# Altium PCB SJ2088POE.PcbDoc (part 3 of 6) (continued)
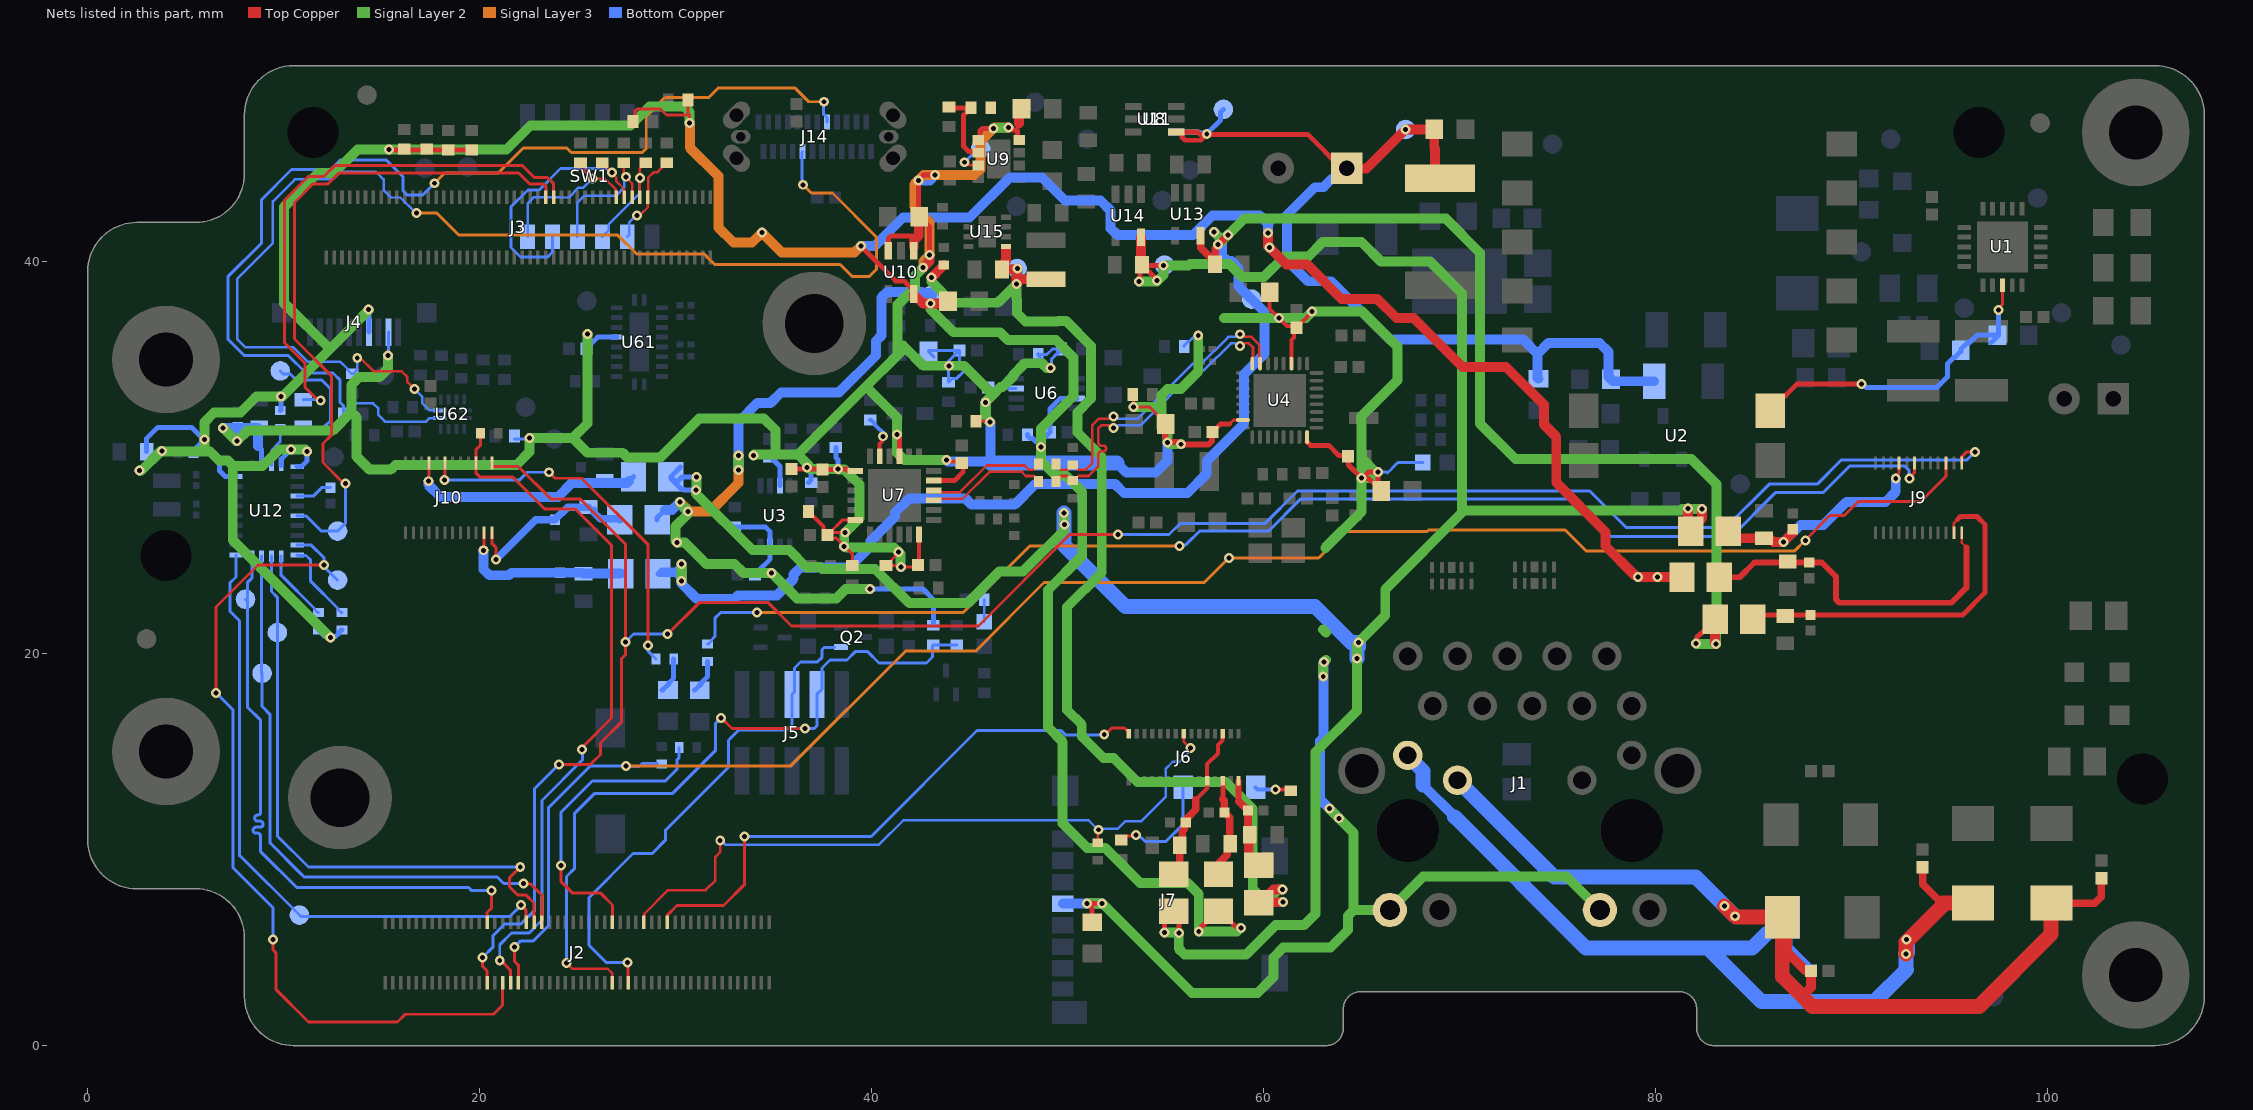
[diagram p7: the nets of this part, all layers, seen from the top]
## Nets (pads, with @x,y where several pads share a name; then routed paths per layer and width w, separated by ;. In a path a pad name is that pad's centre, name@x,y a point inside that pad or via, vN(x,y) a via of type N, cw(c..) or ccw(c..) an arc to the next point about the centre after c; other vN are vias at no path point) (continued)
  Signal Layer 2 w0.305: v1(38.275,29.425) v1@38.314,29.386 ; 65.006,29.919 65.071,29.919 ; v1@65.714,29.276 65.832,29.276 v1(65.839,29.276)
  Signal Layer 2 w0.508: v1(6.9,31.525) 7.575,30.85 v1(7.625,30.85) 8.15,31.375 12.5,31.375 13.45,32.325 ; v1(15.317,35.215) 15.317,34.542 14.9,34.125 13.875,34.125 13.45,33.7 13.45,32.325 ; v1(25.502,36.316) 25.502,31.744 24.754,30.996 ; v1@34.004,30.172 35.093,30.172 ; 36.181,30.172 35.093,30.172 ; v1@36.77,29.63 36.242,30.158 39.715,33.631 ; v1@36.866,29.425 v1(38.275,29.425) ; v1@38.314,29.386 38.614,29.386 39.375,28.625 39.375,26.9 v1(38.653,26.178) 38.603,26.128 38.603,25.478 v1(38.6,25.475) ; v1@38.645,25.492 38.719,25.418 41.14,25.418 v1(41.382,25.176) 41.464,25.095 41.464,24.461 v1(41.506,24.419) ; 41.6,35.725 41.625,35.7 ; 41.625,35.541 41.329,35.245 ; 41.705,35.62 42.636,34.689 v1(43.948,34.689) 44.71,34.689 46.186,33.213 ; v1@42.562,39.645 42.909,39.992 v1@42.909,40.286 ; v1(42.633,39.705) 42.211,39.283 42.211,38.686 41.329,37.804 41.329,35.245 ; v1(43.825,29.875) 41.675,29.875 41.303,30.247 v1(41.303,31.182) 41.303,32.043 39.715,33.631 ; v1(46.032,31.826) 45.799,32.059 v1(45.799,32.827) 46.186,33.213 ; v1(46.221,46.805) 46.25,46.833 46.963,46.833 v1(46.979,46.85) ; v1(49.12,34.574) 48.926,34.574 48.683,34.817 47.817,34.817 47.25,34.25 47.25,34.178 46.672,33.6 46.572,33.6 46.186,33.213 ; v1(51,7.25) v1(51.75,7.25) 51.774,7.25 56.343,2.681 59.681,2.681 60.5,3.5 60.5,4.5 61,5 63.408,5 64.3,5.892 64.3,6.623 64.598,6.921 ; v1(53.353,32.584) 53.359,32.577 54.8,32.577 ; v1(55.785,30.685) 55.775,30.694 55.163,30.694 v1(55.09,30.768) 55.09,31.228 54.8,31.518 54.8,32.577 ; v1(56.666,36.237) 56.666,34.391 55.775,33.5 55.101,33.5 54.8,33.199 54.8,32.577 ; 57.978,37.128 v1(60.781,37.128) 62.153,37.128 v1(62.473,37.447) 65.039,37.447 66.825,35.661 66.825,33.95 65.006,32.131 65.006,30.066 ; 63.025,21.225 63.175,21.075 ; v1(63.044,18.831) 63.044,19.531 63.088,19.575 v1(63.088,19.583) v1@63.175,19.67 ; 63.15,25.4 65.006,27.256 v1(65.006,28.957) ; v1(63.362,12.087) v1(63.85,11.6) 64.598,10.852 64.598,6.921 ; 65.006,29.919 v1(65.006,28.957) ; 65.071,29.919 v1@65.714,29.276 ; v1@65.832,29.276 65.512,28.957 v1(65.006,28.957) ; J1.17@77.16,6.921 75.456,8.625 68.144,8.625 J1.15@66.44,6.921 64.598,6.921 ; 13.45,32.325 13.725,32.05 13.725,30.048 14.388,29.386 15.461,29.386 15.7,29.625 21.875,29.625 22.549,30.299 v1(22.549,30.996) 24.754,30.996 ; 24.754,30.996 25.5,30.25 27.298,30.25 27.548,30 29.2,30 31.2,32 34.5,32 35.093,31.407 35.093,30.172 ; 39.715,33.631 41.329,35.245
  Signal Layer 3 w0.508: v1(42.633,39.705) 42.633,40.01 v1(42.957,40.334) 42.957,42.027 42.178,42.806 42.178,43.949 42.646,44.417 v1(43.235,44.417) 45.248,44.417 45.546,44.714 45.546,46.129 v1(46.221,46.805) 46.266,46.85 v1(46.979,46.85)
  Bottom Copper w0.152: v1(15.317,35.215) 15.342,35.24 J4.9@15.342,36.405 ; R186.2@21.776,30.943 22.496,30.943 v1(22.549,30.996) ; FB1.2@43.19,35.125 FB1.2@42.89,35.425 42.94,35.475 C31.1@44.475,35.475 ; v1(45.799,32.827) 45.799,32.923 45.95,33.074 C53.2@45.95,33.575 ; U6.7@47.375,33.525 46,33.525 C53.2@45.95,33.575 ; R49.1@48.5,35.325 R49.1@48.5,35.275 ; v1(49.12,34.574) 49.188,34.642 49.188,35.038 49.451,35.301 49.501,35.301 49.7,35.5 R46.1@49.7,35.524 ; v1@49.12,34.655 48.749,35.026 48.699,35.026 48.5,35.225 R49.1@48.5,35.275 ; R46.1@49.501,35.325 R46.1@49.7,35.524 ; R28.1@55.95,35.675 55.95,35.725 56.149,35.924 56.199,35.924 56.444,36.169 56.598,36.169 v1(56.666,36.237) ; v1(65.839,29.276) 66.258,29.276 66.317,29.217 66.85,29.75 D16.2@68.125,29.75 ; C31.1@44.475,35.475 44.475,34.625 44.7,34.4 ; C31.1@44.475,35.475 43.925,34.925 R30.2@43.925,33.85 44.122,34.047 44.347,34.047 44.7,34.4 ; 44.7,34.4 45.197,34.4 45.716,33.881 45.716,33.809 C53.2@45.95,33.575 ; R49.1@48.5,35.275 48.95,35.275 49.225,35.55 R46.1@49.7,35.55 R46.1@49.7,35.524
  Bottom Copper w0.254: C90.2@8.675,31.525 8.725,31.575 C90.2@8.75,31.55 ; 8.7,30.6 8.875,30.425 U12.3@8.875,29.6 ; C74.2@25.454,35.582 C74.2@25.478,35.606 ; v1(25.502,36.316) 25.478,36.292 C74.2@25.478,35.606 ; U61.6@27,36.148 26.02,36.148 C74.2@25.478,35.606 ; v1@33.948,30.108 v1(33.97,30.108) ; v1@33.947,30.109 34.766,30.109 35.323,29.552 U3.7@35.323,28.575 ; v1(36.699,29.497) 36.776,29.497 36.873,29.4 36.888,29.415 36.901,29.401 36.901,28.851 R25.1@36.775,28.725 ; R26.1@38.175,30.525 38.175,30 38.275,29.9 v1(38.275,29.425) ; J7.4@49.748,7.24 J7.4@49.758,7.25
  Bottom Copper w0.508: v1(6.9,31.525) C91.2@7.6,31.525 ; v1@7.653,30.947 C91.2@7.653,31.55 ; C91.2@7.675,31.525 C90.2@8.675,31.525 ; 8.7,30.6 C90.2@8.7,31.525 ; v1(42.382,44.153) 42.97,44.153 v1(43.235,44.417) ; v1@43.875,29.8 46.065,29.8 ; v1(45.799,32.827) 45.799,32.059 v1(46.032,31.826) 46.065,31.793 46.065,29.8 ; 46.065,29.725 46.065,29.8 ; J7.4@49.758,7.25 v1(51,7.25) v1(51.75,7.25) ; 52.518,29.725 52.995,29.247 54.497,29.247 55.09,29.84 v1(55.09,30.768) 55.173,30.685 v1(55.785,30.685) ; v1(63.044,18.831) v1@63.047,18.828 ; v1(63.088,19.583) 63.047,19.542 v1@63.047,18.828 ; v1(63.85,11.6) v1(63.362,12.087) 62.875,12.575 62.875,15.55 63.05,15.725 63.05,18.825 v1@63.047,18.828
  Bottom Copper w0.762: 46.065,29.725 52.518,29.725
3V3_PG: TP14.1 U9.7 | length 1.9
  Top Copper w0.127: v1(44.735,45.074) 44.82,45.074 44.985,44.908 U9.7@45.435,44.908
  Bottom Copper w0.127: TP14.1@45.416,45.755 TP14.1@45.559,45.755
  Bottom Copper w0.152: v1(44.735,45.074) TP14.1@45.416,45.755
5V_LED: D6.2 R55.1 | length 1.1
  Bottom Copper w0.127: D6.2@45.75,21.625 R55.1@45.75,22.75
5V_PoE: C7.1 C9.2 C26.2 L1.2 R14.2 R24.2 TP3.1 TP6.1 U8.1 U11.3 | length 52.4
  Top Copper w0.254: U8.1@55.545,46.625 U8.1@55.795,46.625 ; C7.1@64,44.75 62.25,46.5 v1@57.1,46.5 ; U8.1@55.795,46.625 56.625,46.625 56.75,46.5 v1@57.1,46.5 ; U8.1@55.795,46.625 55.843,46.577 55.843,46.345 55.992,46.196 56.796,46.196 v1@57.1,46.5
  Top Copper w0.5: C7.1@64,44.75 64.007,44.757 65.257,44.757 v1(67.246,46.746) C9.2@68.704,46.746 ; C9.2@68.7,46.75 C9.2@68.704,46.746 ; L1.2@69,44.25 68.75,44.5 68.75,45.75 68.707,45.793 68.707,46.743 C9.2@68.704,46.746
  Bottom Copper w0.254: U11.3@55.545,46.625 56.675,46.625 56.742,46.558 57.067,46.558 v1(57.1,46.525) ; v1@57.075,46.5 57.807,47.232 57.807,47.632 TP3.1@57.95,47.775
  Bottom Copper w0.5: C7.1@64,44.75 64,44.525 63.7,44.225 63.475,44.225 63.052,43.802 62.627,43.802 61.2,42.375 61.2,40.058 62.258,39 63.45,39 66.425,36.025 73.25,36.025 73.975,35.3 ; R24.2@74.025,34.025 73.975,34.075 73.975,35.3 ; C26.2@79.925,33.9 77.825,33.9 77.595,34.13 77.595,35.405 77.15,35.85 74.525,35.85 73.975,35.3
2485_PGOOD: J2.37 J5.5 Q2.1 | length 26.6
  Top Copper w0.152: v1(27.55,4.25) 27.55,4.15 27.575,4.125 J2.37@27.575,3.21
  Bottom Copper w0.152: v1(27.55,4.25) 26.45,4.25 25.575,5.125 25.575,7.551 27.824,9.8 28.8,9.8 29.475,10.475 29.475,10.975 32.7,14.2 32.7,15.575 33.225,16.1 35.675,16.1 35.935,16.36 J5.5@35.935,17.925 36.064,18.054 36.064,19.264 36.375,19.575 37.231,19.575 37.475,19.819 37.475,20.216 37.564,20.306 38.081,20.306 Q2.1@38.1,20.325
2485_WAKEUP: J2.41 J5.7 R1.2 R62.1 | length 37.9
  Top Copper w0.127: v1(24.425,4.225) 24.731,3.919 26.537,3.919 26.775,3.681 J2.41@26.775,3.263 ; J2.41@26.749,3.51 26.749,3.236 J2.41@26.775,3.263 ; J2.41@26.775,3.21 J2.41@26.775,3.263
  Top Copper w0.152: v1(32.325,16.725) 32.875,16.175 v1(36.6,16.175)
  Bottom Copper w0.152: v1(24.425,4.225) 24.425,8.625 24.85,9.05 24.85,11.85 25.875,12.875 29.85,12.875 32.045,15.07 32.045,16.445 v1(32.325,16.725) ; v1(36.6,16.175) 37.075,16.175 37.205,16.305 J5.7@37.205,17.925 37.464,18.184 37.464,19.264 37.875,19.675 38.738,19.675 39.163,20.1 39.8,20.1 40.375,19.525 42.8,19.525 43.1,19.825 43.1,20.4 R1.2@43.15,20.45 R62.1@44.35,20.45
BNO08x_BOOTN_1V8: J3.42 R84.2 | length 27.5
  Top Copper w0.152: v1(11.89,32.925) 11.852,32.963 11.712,32.963 11.1,33.575 11.1,34.8 10.05,35.85 10.05,43.15 11.25,44.35 12.05,44.35 12.6,44.9 18.1,44.9 22.182,44.9 22.782,44.3 23.45,44.3 23.775,43.975 J3.42@23.775,43.29
  Bottom Copper w0.152: R84.2@11,32.95 11.016,32.966 11.849,32.966 v1(11.89,32.925)
BNO08x_BOOTN_1V8_1: R83.1 R84.1 TP26.1 U12.4 | length 9.4
  Bottom Copper w0.152: U12.4@9.375,29.6 9.375,30.35 9.563,30.538 ; 9.55,30.55 9.825,30.825 9.825,31.475 10.925,31.475 R84.1@11,31.55 12.05,31.55 12.4,31.9 12.4,33.5 11.925,33.975 10.637,33.975 10.35,34.263 9.987,34.263 TP26.1@9.825,34.425
BNO08x_CIPO_1V8: J2.64 TP28.1 U12.20 | length 32.6
  Top Copper w0.152: v1(22.117,7.168) 22.117,7.158 22.375,6.901 J2.64@22.375,6.29
  Bottom Copper w0.152: U12.20@7.563,25.038 7.563,23.913 7.25,23.6 7.25,22.175 7.751,21.674 7.751,9.68 7.782,9.68 TP28.1@10.803,6.659 10.862,6.6 21.549,6.6 v1(22.117,7.168)
BNO08x_COPI_1V8: J2.62 TP29.1 U12.17 | length 31.3
  Top Copper w0.152: v1(22.071,9.108) 21.525,8.562 21.525,8.104 21.953,7.675 22.375,7.675 22.775,7.275 22.775,6.853 J2.62@22.775,6.29
  Bottom Copper w0.152: U12.17@9.375,24.975 9.375,23.175 9.675,22.875 TP29.1@9.675,21.075 9.675,10.7 11.267,9.108 v1(22.071,9.108)
BNO08x_CS_1V8: J2.60 TP30.1 U12.18 | length 31.3
  Top Copper w0.152: v1@22.262,8.198 22.231,8.167 v1(22.231,8.266) 22.244,8.253 22.597,8.253 23.175,7.675 J2.60@23.175,6.29
  Bottom Copper w0.152: TP30.1@8.875,19 U12.18@8.875,24.975 ; TP30.1@8.9,19 8.9,18.068 8.9,17.3 9.29,16.91 9.29,10.36 10.85,8.8 11.039,8.611 20.889,8.611 21.234,8.266 v1(22.231,8.266)
BNO08x_INT_1V8: J2.69 TP25.1 U12.14 | length 43.9
  Top Copper w0.152: v1(6.55,18) 6.55,22.375 8.694,24.519 v1(12.05,24.519) ; v1(9.45,5.425) 9.45,4.887 9.6,4.737 9.6,2.875 11.269,1.206 15.806,1.206 16.2,1.6 20.7,1.6 21.175,2.075 J2.69@21.175,3.21
  Bottom Copper w0.152: v1(6.55,18) 7.403,17.147 7.403,9.088 9.45,7.041 v1(9.45,5.425) ; U12.14@10.687,25.538 11.412,25.538 12.05,24.9 v1(12.05,24.519) ; v1@12.05,24.45 TP25.1@12.75,23.75
BNO08x_RSTn_1V8: J3.44 TP19.1 U12.11 | length 35.1
  Top Copper w0.152: v1(13.163,28.685) 13.067,28.685 12.927,28.825 12.925,28.825 12,29.75 12,30.725 12.45,31.175 12.45,34.15 10.55,36.05 10.55,43.025 11.5,43.975 12.261,43.975 12.812,44.526 17.874,44.526 21.988,44.526 22.539,43.975 23.25,43.975 23.375,43.85 J3.44@23.375,43.29
  Bottom Copper w0.152: U12.11@10.687,27.038 10.703,27.022 11.153,27.022 11.925,26.25 TP19.1@12.75,26.25 13.163,26.663 v1(13.163,28.685)
BNO08x_SCK_1V8: J2.74 TP27.1 U12.19 | length 31
  Top Copper w0.152: J2.74@20.375,6.29 20.375,6.786 20.598,7.009 v1(20.598,7.904)
  Bottom Copper w0.152: TP27.1@8.05,22.775 TP27.1@8.146,22.679 ; U12.19@8.375,24.975 8.375,23.85 8.146,23.621 TP27.1@8.146,22.679 ; v1(20.598,7.904) 19.596,7.904 19.438,8.062 10.661,8.062 8.825,9.898 8.825,10.608 8.825,10.685 ccw(c8.672,10.685) 8.672,10.838 8.593,10.838 cw(c8.593,10.991) 8.593,11.144 8.793,11.144 ccw(c8.793,11.298) 8.793,11.451 8.672,11.451 cw(c8.672,11.604) 8.672,11.757 ccw(c8.672,11.91) 8.825,11.91 8.825,14.15 8.825,16.598 8.146,17.277 TP27.1@8.146,22.679
BOOT0: J3.26 R23.1 SW1.6 | length 8.4
  Top Copper w0.127: R23.1@25.15,45.05 25.316,44.884 25.316,44.659 25.741,44.234 26.391,44.234 26.949,43.676 26.949,43.316 J3.26@26.975,43.29
  Bottom Copper w0.127: SW1.6@22.45,41.275 22.45,42.975 22.775,43.3 24.025,43.3 24.05,43.275 24.55,43.275 25.05,43.775 25.291,43.775 v1(25.75,44.234)
BOOT1: J3.24 R22.1 SW1.5 | length 13.6
  Top Copper w0.127: R22.1@26.25,45.05 26.3,45.05 26.512,44.839 26.512,44.789 v1(26.75,44.55) 26.75,44.51 26.975,44.285 26.975,44.1 27.352,43.723 27.352,43.313 J3.24@27.375,43.29
  Bottom Copper w0.152: SW1.5@23.72,41.275 23.72,40.493 23.468,40.241 22.084,40.241 21.602,40.723 21.602,42.802 22.463,43.663 23.038,43.663 24.125,44.75 26.483,44.75 26.683,44.55 v1(26.75,44.55)
BOOT2: J3.22 R21.1 SW1.4 | length 7.2
  Top Copper w0.127: v1@27.35,44.425 27.775,44 J3.22@27.775,43.29 ; v1@27.35,44.446 R21.1@27.35,45.05
  Bottom Copper w0.127: SW1.4@24.99,41.275 24.99,43.015 25.35,43.375 26.975,43.375 27.375,43.775 27.375,44.443 27.463,44.355 v1(27.463,44.333)
BOOT3: J3.20 R20.1 SW1.3 | length 6
  Top Copper w0.127: J3.20@28.149,43.003 28.175,43.03 J3.20@28.175,43.29 v1(28.175,44.27) 28.175,44.75 28.213,44.789 28.213,44.839 28.425,45.05 R20.1@28.475,45.05
  Bottom Copper w0.127: SW1.3@26.26,41.275 26.577,41.592 26.577,41.902 28.175,43.5 v1(28.175,44.27)
BOOT4: J3.18 R19.1 SW1.2 | length 4.9
  Top Copper w0.127: v1(28.033,42.368) 28.04,42.375 28.175,42.375 28.575,42.775 J3.18@28.575,43.29 28.594,43.309 28.594,44.282 28.888,44.575 29.075,44.575 29.288,44.789 29.288,44.839 29.5,45.05 R19.1@29.55,45.05
  Bottom Copper w0.127: SW1.2@27.53,41.275 27.641,41.386 27.641,42.016 27.96,42.335 28,42.335 v1(28.033,42.368)
BRIDGE_REFCLK1_N: R33.2 U7.15 | length 6.2
  Top Copper w0.13: U7.15@43.163,27.827 43.248,27.912 43.572,27.912 43.574,27.914 43.758,27.914 44.649,27.914 46.009,29.275 47.675,29.275 47.675,29.255 47.865,29.064 48.135,29.064 48.277,29.064 48.353,28.988 48.353,28.937 R33.2@48.513,28.777
BRIDGE_REFCLK1_P: R65.2 U7.16 | length 6.2
  Top Copper w0.13: U7.16@43.163,28.327 43.248,28.242 43.572,28.242 43.574,28.239 43.893,28.239 44.514,28.239 45.875,29.6 47.81,29.6 48,29.409 48,29.389 48.277,29.389 48.353,29.465 48.353,29.517 R65.2@48.513,29.677
BRIDGE_REFCLK_N: R33.1 R43.2 U4.16 | length 16
  Top Copper w0.13: R33.1@49.413,28.777 49.573,28.937 49.573,28.988 49.649,29.064 49.977,29.064 50.053,28.988 50.053,28.987 50.213,28.827 R43.2@50.263,28.827 50.313,28.827 50.473,28.987 50.473,28.988 50.549,29.064 51.067,29.064 51.575,29.572 51.575,29.834 51.575,30.183 cw(c51.717,30.183) 51.717,30.325 51.829,30.325 ccw(c51.829,30.467) 51.971,30.467 ccw(c51.829,30.467) 51.829,30.609 51.717,30.609 cw(c51.717,30.751) 51.575,30.751 51.575,31.022 51.575,31.506 51.719,31.65 52.112,31.65 52.248,31.514 v1(52.35,31.514) ; v1(58.8,35.7) 58.902,35.7 59.038,35.836 59.249,35.836 59.461,35.624 59.461,35.107 59.423,35.069 U4.16@59.423,34.8
  Bottom Copper w0.13: v1(52.35,31.514) 52.453,31.514 52.589,31.65 53.709,31.65 56.53,34.47 56.97,34.47 58.336,35.836 58.562,35.836 58.698,35.7 v1(58.8,35.7)
BRIDGE_REFCLK_P: R42.2 R65.1 U4.15 | length 16
  Top Copper w0.13: R65.1@49.413,29.677 49.573,29.517 49.573,29.465 49.649,29.389 49.977,29.389 50.053,29.465 50.053,29.467 50.213,29.627 R42.2@50.263,29.627 50.313,29.627 50.473,29.467 50.473,29.465 50.549,29.389 50.933,29.389 51.25,29.706 51.25,31.641 51.584,31.975 52.112,31.975 52.248,32.111 v1(52.35,32.111) ; v1(58.8,36.297) 58.902,36.297 59.038,36.161 59.384,36.161 59.785,35.759 59.785,35.107 59.823,35.069 U4.15@59.823,34.8
  Bottom Copper w0.13: v1(52.35,32.111) 52.453,32.111 52.589,31.975 53.575,31.975 56.395,34.795 56.836,34.795 58.201,36.161 58.453,36.161 58.562,36.161 58.698,36.297 v1(58.8,36.297)
CAM_A_CLK_OUT: J2.28 J6.30 | length 29.6
  Top Copper w0.152: J2.28@29.575,6.29 29.575,6.658 30.068,7.15 32.444,7.15 33.525,8.231 33.525,10.673 v1(33.523,10.675) ; v1@51.919,15.866 52.253,16.2 52.9,16.2 53.014,16.086 53.089,16.086 53.123,16.052 J6.30@53.123,15.912
  Bottom Copper w0.152: v1(33.523,10.675) 39.975,10.675 45.375,16.075 49.675,16.075 49.89,15.86 51.863,15.86 v1(51.869,15.866)
CAM_A_PWDN_N: J2.34 J6.23 R70.1 | length 36.1
  Top Copper w0.127: J2.34@28.375,6.29 28.397,6.312 28.397,6.724 29.604,7.93 31.53,7.93 32.025,8.425 32.025,9.625 32.275,9.875 v1(32.275,10.475) ; R70.1@51.55,10.45 51.55,11.099 51.567,11.082 v1(51.567,11.014) ; J6.23@55.923,15.912 55.923,15.523 56.245,15.201 56.268,15.223 v1@56.268,15.238
  Bottom Copper w0.127: v1(32.275,10.475) 32.321,10.475 32.54,10.256 40.373,10.256 41.617,11.5 51.075,11.5 51.561,11.014 v1(51.567,11.014) ; v1@51.624,11.071 52.571,11.071 52.952,11.452 53.761,11.452 55,12.691 55,14.115 55.367,14.482 55.701,14.482 56.378,15.159 56.299,15.238 v1@56.268,15.238
  other v1: 56.268,15.188
CAM_B_CLK_OUT: J2.73 J9.24 J10.24 | length 114.3
  Top Copper w0.152: v1(20.148,4.501) 20.148,4.047 20.375,3.82 J2.73@20.375,3.21 ; J10.24@20.623,29.725 20.623,29.551 20.624,29.55 21.975,29.55 23.625,27.9 25.125,27.9 27.45,25.575 v1(27.45,20.6) 27.45,19.96 27.245,19.755 27.245,16.52 26.16,15.435 26.16,14.86 25.65,14.35 v1(24.05,14.35) ; v1(52.575,26.075) 50.107,26.075 45.449,21.416 35.913,21.416 34.728,22.601 33.23,22.601 31.201,22.601 ; J9.24@95.623,29.725 95.623,30.047 95.876,30.3 v1(96.3,30.3) ; 31.201,22.601 29.6,21 v1(29.591,21) 31.192,22.601 31.201,22.601
  Bottom Copper w0.152: v1(20.148,4.501) 20.687,5.04 20.687,5.613 21.275,6.2 22.1,6.2 22.788,6.887 22.788,13.087 v1(24.05,14.35) ; v1(27.45,20.6) 27.85,21 v1(29.591,21) ; v1(52.575,26.075) 55.175,26.075 55.732,26.632 60.058,26.632 61.726,28.3 76.638,28.3 78.494,26.445 83.595,26.445 85.8,28.65 88.25,28.65 89.488,29.888 95.888,29.888 v1(96.3,30.3)
CAM_B_D_PWM: J2.65 J9.22 R81.1 | length 91.7
  Top Copper w0.152: v1(21.775,5.025) 21.775,4.3 21.975,4.1 J2.65@21.975,3.21 ; v1(87.648,25.773) 87.648,25.798 88.895,27.045 89.625,27.045 90.355,27.775 93.55,27.775 94.823,29.048 J9.22@94.823,29.725
  Signal Layer 3 w0.152: v1(27.475,14.275) 35.875,14.275 41.725,20.125 45.296,20.125 48.796,23.625 56.975,23.625 v1(58.225,24.875) 62.809,24.875 64.155,26.221 68.321,26.221 68.411,26.311 75.389,26.311 76.473,25.227 87.077,25.227 v1@87.623,25.773
  Bottom Copper w0.152: v1(21.775,5.025) 22.1,5.35 22.75,5.35 23.517,6.117 23.517,12.142 25.65,14.275 v1(27.475,14.275) 27.5,14.25 28.15,14.25 28.3,14.4 R81.1@29.075,14.4 ; v1@87.623,25.773 v1(87.648,25.773)
CAM_B_PWDN_N: J2.67 J10.22 R71.1 | length 36
  Top Copper w0.152: R71.1@20.05,31.25 20.05,30.65 19.823,30.423 J10.22@19.823,29.725 19.823,29.202 20,29.025 21.672,29.025 23.319,27.377 24.873,27.377 26.723,25.527 26.723,16.71 25.37,15.358 25.37,15.352 v1@25.192,15.174 ; v1(21.025,4.35) 21.075,4.35 21.575,3.85 J2.67@21.575,3.21
  Bottom Copper w0.152: v1(21.025,4.35) 21.025,5.15 21.625,5.75 22.525,5.75 23.18,6.405 23.18,12.512 25.25,14.582 v1@25.25,15.1
  other v1: 25.232,15.118
CAP: C94.1 U12.9 | length 2.3
  Bottom Copper w0.152: 11.153,28.053 10.703,28.053 U12.9@10.687,28.038 11.513,28.038 11.941,28.466 C94.1@12.382,28.466
CC1: J14.A5 RZ28.2 U62.1 | length 58.3
  Signal Layer 3 w0.152: v1(17.701,44.002) 18.224,44.525 20.95,44.525 22.225,45.8 24.45,45.8 24.675,45.575 28.3,45.575 28.5,45.775 28.5,47.425 29.45,48.375 29.455,48.369 31.676,48.369 32.157,48.85 ; 33.012,48.85 32.157,48.85 ; v1(37.564,48.161) 36.789,48.161 36.1,48.85 32.157,48.85
  Bottom Copper w0.127: RZ28.2@13.064,32.296 13.071,32.296 13.262,32.487 13.262,32.493 13.542,32.774 14.564,32.774 14.829,32.508 14.829,32.181 15.168,31.842 17.265,31.842 17.438,32.015 U62.1@17.965,32.015
  Bottom Copper w0.152: RZ28.2@13.064,32.296 13.064,32.636 12.882,32.818 12.882,33.953 12.519,34.316 11.134,34.316 10.225,35.225 7.975,35.225 7.15,36.05 7.15,39.225 8.875,40.95 8.875,43.175 10.4,44.7 12.4,44.7 12.9,45.2 15.223,45.2 16.1,44.323 16.1,44.233 16.094,44.227 16.094,43.606 16.301,43.399 17.097,43.399 v1(17.701,44.002) ; v1(37.564,48.161) 37.55,48.146 37.55,47.583 37.552,47.581 37.552,47.52 37.642,47.431 37.651,47.431 37.725,47.357 J14.A5@37.725,47.132
CC2: J14.B5 RZ29.2 U62.2 | length 63.6
  Top Copper w0.127: v1(13.753,35.096) 13.904,35.096 14.6,34.4 16.025,34.4 16.314,34.111 16.314,33.858 v1(16.677,33.496)
  Signal Layer 3 w0.152: v1(16.775,42.475) 17.823,42.475 17.953,42.345 18.946,41.352 27.048,41.352 28,40.4 31.445,40.4 ; 31.665,40.18 31.445,40.4 ; v1(36.5,43.925) 36.925,43.5 38,43.5 40.25,41.25 40.25,39.609 39.895,39.254 38.996,39.254 38.397,39.853 31.992,39.853 31.445,40.4
  Bottom Copper w0.127: v1(13.753,35.096) 13.766,35.084 13.766,34.491 13.555,34.28 RZ29.2@13.505,34.28 13.455,34.28 13.243,34.491 13.243,34.541 12.897,34.888 11.237,34.888 10.5,35.625 8.05,35.625 7.619,36.056 7.619,39.119 9.45,40.95 9.45,43.075 10.575,44.2 12.5,44.2 12.9,44.6 14.7,44.6 15.1,44.2 15.1,43.65 15.475,43.275 15.95,43.275 v1@16.75,42.475 ; v1(16.677,33.496) 17.076,33.096 17.076,32.774 17.425,32.425 ; 17.425,32.415 U62.2@17.965,32.415 ; J14.B5@36.45,45.598 J14.B5@36.475,45.622
  Bottom Copper w0.152: v1@36.45,43.925 J14.B5@36.45,45.598
CD_SW1: J7.9 R66.1 | length 5.6
  Top Copper w0.152: R66.1@52.8,10.5 52.986,10.686 53.436,10.686 v1(53.5,10.75)
  Bottom Copper w0.152: v1(53.5,10.75) 53.596,10.75 53.723,10.624 53.751,10.624 53.95,10.425 55.025,10.425 55.898,11.298 J7.9@55.898,13.175
CD_SW2: J7.10 R67.2 | length 1.7
  Top Copper w0.203: v1(60.612,13.079) 61.171,13.079 R67.2@61.25,13
  Bottom Copper w0.203: J7.10@59.598,13.175 59.694,13.079 v1(60.612,13.079)
CLK_IN: R64.1 U7.23 | length 2.2
  Top Copper w0.206: U7.23@40.413,30.077 40.413,30.708 40.529,30.824 40.529,31.034 v1(40.587,31.092)
  Bottom Copper w0.206: R64.1@39.927,31.917 39.977,31.917 40.15,31.745 40.15,31.695 v1@40.67,31.175
COM_AUX_IO2: J2.42 R80.1 | length 15.5
  Top Copper w0.152: v1(24.139,9.18) 24.139,8.386 24.75,7.775 26.175,7.775 26.775,7.175 J2.42@26.775,6.29
  Bottom Copper w0.152: v1(24.139,9.18) 24.139,11.889 25.75,13.5 29.475,13.5 30.075,14.1 30.075,14.587 30.181,14.694 R80.1@30.181,15.218
CT1: C10.1 C14.2 D11.1 D15.2 J1.11 | length 48.8
  Top Copper w0.381: C14.2@93.629,9.1 93.629,8.234 94.595,7.268 ; 94.489,7.268 94.595,7.268 ; 94.643,7.268 94.595,7.268 ; 94.693,7.17 94.643,7.22 94.595,7.268 ; D11.1@95.775,7.268 D11.1@96.2,7.268
  Top Copper w0.508: v1@92.782,5.407 v1(92.8,5.425)
  Top Copper w0.762: v1(92.782,4.67) 92.782,5.278 94.643,7.139 94.643,7.22 94.643,7.268 D11.1@95.775,7.268
  Bottom Copper w0.508: J1.11@67.355,14.788 J1.11@67.355,14.811 ; 68.125,13.3 69.75,11.675 ; D15.2@85.667,5.724 85.858,5.724 86.493,6.359 D15.2@86.493,6.55 86.744,6.299 86.744,5.006 C10.1@87.925,3.825 ; 92.782,3.893 92.8,3.875 ; v1(92.8,5.425) v1@92.864,5.361
  Bottom Copper w0.762: J1.11@67.355,14.788 68.125,14.017 68.125,13.3 ; 69.75,11.675 76.45,4.975 82.675,4.975 ; D15.2@85.667,5.724 84.918,4.975 82.675,4.975 ; 92.782,3.893 v1(92.782,4.67) 92.864,4.753 v1@92.864,5.361 ; 92.8,3.875 91.175,2.25 85.4,2.25 82.675,4.975
CT2: C15.2 C54.1 D10.1 D14.2 J1.12 | length 50.8
  Top Copper w0.381: D10.1@100.2,7.268 D10.1@100.2,7.268 ; D10.1@100.9,6.57 D10.1@100.2,7.268 ; C15.2@102.747,8.541 102.747,7.604 102.411,7.268 D10.1@100.2,7.268
  Top Copper w0.508: v1@84.042,6.6 v1(84.05,6.6) v1@84.097,6.553 ; 86.466,5.009 87.619,3.856 87.869,3.856 C54.1@87.925,3.8 87.925,2.967 87.479,2.521 ; D14.2@86.466,6.553 86.716,6.303 86.716,5.009 ; D10.1@99.915,6.983 100.182,7.25 D10.1@100.2,7.268
  Top Copper w0.762: v1(83.507,7.134) v1@84.042,6.6 ; v1@84.097,6.553 D14.2@86.466,6.553 86.466,3.534 87.479,2.521 88,2 96.5,2 100.182,5.682 D10.1@100.182,7.25
  Bottom Copper w0.762: J1.12@69.895,13.541 74.836,8.6 82.05,8.6 v1(84.05,6.6)
ENV_SCL: R85.2 U12.15 | length 4.2
  Bottom Copper w0.152: U12.15@10.687,25.038 10.715,25.01 11.14,25.01 11.375,24.775 11.375,23.7 12.776,22.299 12.776,22.249 12.925,22.1 R85.2@12.975,22.1
ENV_SDA: R86.2 U12.16 | length 3.7
  Bottom Copper w0.152: U12.16@9.875,24.975 9.875,24 11.576,22.299 11.576,22.249 11.725,22.1 R86.2@11.775,22.1
EROUT: R12.1 R18.2 U1.3 U2.4 | length 17.1
  Top Copper w0.152: v1(97.509,37.533) 97.509,37.588 97.497,37.6 97.485,37.612 97.7,37.827 U1.3@97.7,38.8
  Top Copper w0.254: U2.4@85.858,32.395 85.858,32.525 86.491,33.158 86.621,33.158 87.213,33.75 v1(90.5,33.75)
  Bottom Copper w0.254: v1(90.5,33.75) 90.569,33.75 90.73,33.589 94.364,33.589 94.9,34.125 94.9,34.8 95.202,35.102 95.252,35.102 95.575,35.425 R18.2@95.575,35.475 95.575,35.525 95.898,35.848 95.998,35.848 96.4,36.25 R12.1@97.45,36.25 R12.1@97.45,36.2 ; R12.1@97.127,35.877 R12.1@97.45,36.2 ; v1(97.509,37.533) 97.509,36.259 R12.1@97.45,36.2
FB_3.3VIN: R68.2 R69.1 U9.6 | length 4
  Top Copper w0.254: R69.1@44.126,47.85 R68.2@45.075,47.85 45.075,47.8 44.927,47.652 44.877,47.652 44.7,47.475 44.7,45.875 44.943,45.632 45.361,45.632 U9.6@45.435,45.558
FSIN1: R72.2 R75.2 | length 1.9
  Bottom Copper w0.254: R75.2@29.3,18.15 29.35,18.15 29.673,18.473 29.673,18.523 29.9,18.75 R72.2@29.9,19.725
FSIN1_IN: J10.18 R72.1 | length 19
  Top Copper w0.152: v1(18.2,28.85) 18.2,28.875 18.223,28.898 J10.18@18.223,29.725 ; v1(23.538,29.256) 23.844,28.95 25.2,28.95 28.6,25.55 v1(28.6,20.425)
  Bottom Copper w0.152: v1(18.2,28.85) 22.025,28.85 22.431,29.256 v1(23.538,29.256) ; v1(28.6,20.425) 28.6,20.125 R72.1@29,19.725
FSIN2: R77.2 R82.2 | length 1.8
  Bottom Copper w0.254: R77.2@30.95,18.15 31,18.15 31.323,18.473 31.323,18.523 31.625,18.825 R82.2@31.625,19.6
FSIN2_IN: J9.18 R82.1 | length 68.7
  Top Copper w0.152: v1@92.842,28.858 93.223,29.24 J9.18@93.223,29.725
  Signal Layer 3 w0.152: v1(34.143,22.098) 44.673,22.098 48.075,25.5 v1(55.7,25.5)
  Bottom Copper w0.152: R82.1@31.625,20.5 31.675,20.5 31.824,20.649 31.824,20.699 32,20.875 32,21.8 32.298,22.098 v1(34.143,22.098) ; v1(55.7,25.5) 55.751,25.551 56.026,25.551 56.725,26.25 60.25,26.25 61.9,27.9 75.798,27.9 77.716,25.982 83.882,25.982 86.113,28.213 88.543,28.213 89.906,29.576 92.715,29.576 92.931,29.36 92.931,29.01 v1@92.949,28.992
  other v1: 92.949,28.942